# Allegro board parallella_layout.brd (continued)
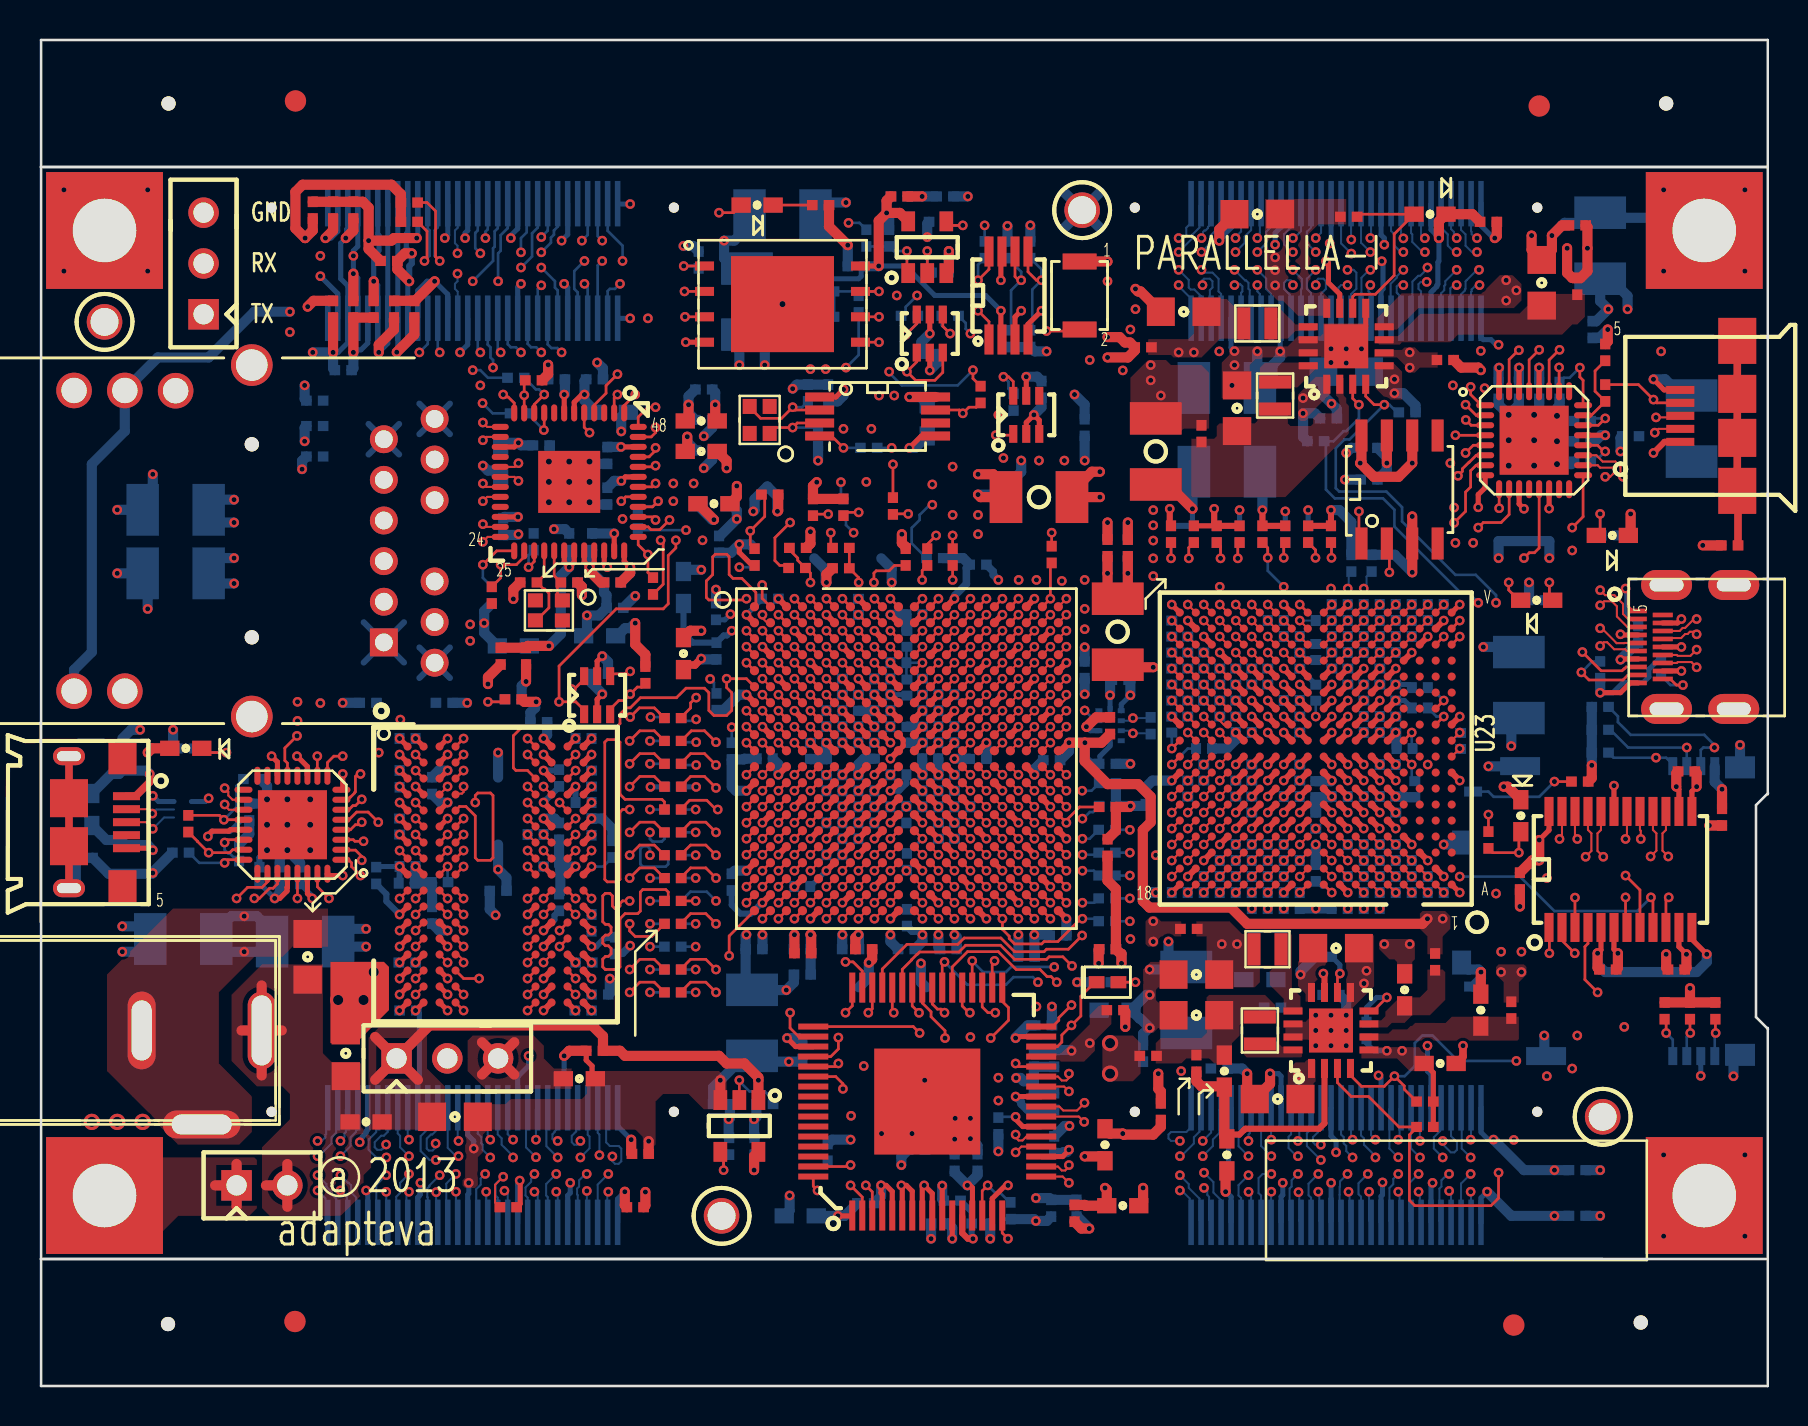
[diagram p0: board, top side]
## Routing (per net, layer and track width the routed paths; a pad name or vN(x,y) marks a point on that pad's centre or on a via; arc(x,y) is an arc through that point) (continued)
DDR_DQ15: length 19.5
  TOP w0.133: U2.J1 v1(35.33,32.97) ; U20.F9 v1(24.39,28.38)
  L8_SIG w0.108: v1(35.33,32.97) 35.33,32.74 34.94,32.34 34.94,28.41 34.66,28.13 33.64,28.13 33.33,27.81 33.33,27.18 33.09,26.94 31.77,26.94 31.66,26.83 31.66,26.59 31.55,26.48 31.33,26.48 31.23,26.59 31.23,26.83 31.12,26.94 28.81,26.94 28.25,26.38 26.25,26.38 25.45,27.18 25.02,27.18 24.97,27.23 24.95,27.23 24.78,27.39 24.78,27.98 v1(24.39,28.38)
DDR_DQ16: length 21.8
  TOP w0.133: U2.P1 v1(35.33,28.17) ; U20.M11 v1(25.99,22.78)
  L10_SIG w0.108: v1(25.99,22.78) 25.58,23.18 24.12,23.18 23.93,23.37 23.93,24.38 23.8,24.51 22.91,24.51 22.79,24.64 22.79,25.15 22.91,25.27 23.17,25.27 23.31,25.42 23.31,26.67 23.44,26.8 23.8,26.8 23.93,26.67 23.93,26.5 24.06,26.37 27.95,26.37 29.09,27.52 29.09,27.85 29.33,28.08 30.17,28.08 30.25,28.17 30.81,28.17 31.3,27.69 31.96,27.69 32.44,28.17 v1(35.33,28.17)
DDR_DQ17: length 22.1
  TOP w0.133: U2.P3 v1(36.93,28.17) ; U20.M9 v1(24.39,22.78)
  L10_SIG w0.108: v1(24.39,22.78) 24.14,22.78 22.41,24.51 22.41,26.54 23.04,27.17 27.86,27.17 29.12,28.43 34.08,28.43 34.22,28.57 37.14,28.57 37.26,28.44 37.26,28.3 37.14,28.17 v1(36.93,28.17)
DDR_DQ18: length 21.7
  TOP w0.133: U2.R3 v1(36.93,27.37) ; U20.N11 v1(25.99,21.98)
  L10_SIG w0.108: v1(25.99,21.98) 26.18,22.17 26.24,22.17 26.34,22.27 26.77,22.27 27.19,22.69 27.19,23.79 27,23.98 26.62,23.98 26.22,24.38 25.71,24.38 25.58,24.51 25.58,25.02 25.71,25.15 26.09,25.15 26.34,24.89 26.6,24.89 26.85,25.15 27.99,25.15 28.99,26.15 29.97,26.15 30.11,26.29 30.11,26.8 30.25,26.94 31.17,26.94 31.3,26.81 31.3,25.91 31.42,25.78 31.93,25.78 32.06,25.91 32.06,26.84 32.18,26.97 35.5,26.97 35.74,27.21 35.74,27.53 35.97,27.77 36.81,27.77 36.93,27.64 v1(36.93,27.37)
DDR_DQ19: length 21.7
  TOP w0.133: U2.R1 v1(35.33,27.37) ; U20.N9 v1(24.39,21.98)
  L10_SIG w0.108: v1(24.39,21.98) 24.79,22.38 26.15,22.38 26.47,22.7 26.47,23.16 26.34,23.29 26.34,23.85 26.22,23.98 24.92,23.98 24.79,24.11 24.79,24.77 24.66,24.89 23.93,24.89 23.8,25.02 23.8,25.4 23.93,25.53 25.58,25.53 25.71,25.65 25.71,25.91 25.83,26.04 26.22,26.04 26.34,25.91 26.34,25.65 26.47,25.53 27.87,25.53 28.12,25.78 28.12,26.04 29.31,27.23 34.34,27.23 34.48,27.37 v1(35.33,27.37)
DDR_DQ20: length 22
  TOP w0.133: U20.R11 v1(26.79,20.38) ; U2.T4 v1(37.73,26.57)
  L10_SIG w0.108: v1(26.79,20.38) 25.83,20.38 25.71,20.25 25.71,19.31 25.83,19.18 28.12,19.18 28.25,19.31 28.25,19.43 28.37,19.56 28.76,19.56 29.31,20.12 31.17,20.12 31.3,20.24 31.3,21.46 31.42,21.59 31.8,21.59 32.62,22.4 33.71,22.4 34.34,23.04 34.34,23.29 34.57,23.52 34.83,23.52 34.98,23.37 35.23,23.37 35.36,23.5 35.36,23.63 35.73,24 35.73,24.17 35.74,24.18 35.74,24.43 35.87,24.57 36.12,24.57 36.13,24.57 36.38,24.57 36.53,24.73 36.53,24.97 36.54,24.98 36.54,25.93 36.77,26.17 38.03,26.17 38.14,26.28 38.14,26.81 38.03,26.92 37.86,26.92 37.73,26.8 v1(37.73,26.57)
DDR_DQ21: length 22.2
  TOP w0.133: U20.T9 v1(24.39,19.58) ; U2.U4 v1(37.73,25.77)
  L10_SIG w0.108: v1(37.73,25.77) 38.14,25.37 38.14,24.8 37.9,24.57 37.57,24.57 37.33,24.33 37.33,24 37.09,23.77 36.77,23.77 36.53,23.53 36.53,23.2 36.29,22.97 35.97,22.97 35.73,22.73 35.73,22.4 35.5,22.17 34.38,22.17 33.46,21.26 32.69,21.26 32.66,21.23 32.63,21.23 32.06,20.65 32.06,20.07 29.69,17.7 24.44,17.7 23.8,18.34 23.8,18.99 v1(24.39,19.58)
DDR_DQ22: length 21.8
  TOP w0.133: U20.T11 v1(26.79,19.58) ; U2.U2 v1(36.13,25.77)
  L10_SIG w0.108: v1(26.79,19.58) 26.22,19.58 26.09,19.7 26.09,19.85 26.22,19.98 28.33,19.98 28.34,19.97 28.74,19.97 29.09,20.33 29.09,21.17 29.39,21.46 29.9,21.46 30.03,21.34 30.03,20.56 30.15,20.43 30.77,20.43 30.91,20.57 30.91,21.84 31.04,21.97 31.68,21.97 32.06,22.35 32.06,22.73 31.93,22.86 31.8,22.86 31.68,22.99 31.68,24.13 31.8,24.26 32.18,24.26 32.31,24.13 32.31,22.99 32.58,22.72 33.18,22.72 33.33,22.86 33.33,23.62 33.45,23.75 34.34,23.75 34.47,23.88 34.47,24.44 34.6,24.57 35.5,24.57 35.74,24.81 35.74,25.2 35.74,25.2 35.99,25.45 35.99,25.63 v1(36.13,25.77)
DDR_DQ23: length 21.8
  TOP w0.133: U2.U3 v1(36.93,25.77) ; U20.U9 v1(24.39,18.78)
  L10_SIG w0.108: v1(36.93,25.77) 37.33,25.37 37.33,24.8 37.09,24.57 36.77,24.57 36.54,24.33 36.54,24 36.3,23.77 35.97,23.77 35.74,23.53 35.74,23.2 35.5,22.97 34.78,22.97 33.39,21.57 32.37,21.57 31.68,20.88 31.68,20.12 30.51,18.95 30.38,18.95 30.05,19.28 29.87,19.28 29.67,19.08 29.67,18.9 29.94,18.63 29.94,18.38 29.72,18.16 29.5,18.16 29.39,18.27 29.39,18.67 29.26,18.8 29.01,18.8 28.88,18.67 28.88,18.29 28.68,18.08 25.83,18.08 25.63,18.29 24.95,18.29 24.74,18.08 24.51,18.08 24.18,18.41 24.18,18.57 v1(24.39,18.78)
DDR_DQ24: length 30.3
  TOP w0.133: U20.M2 v1(18.79,22.78) ; U2.V1 v1(35.33,24.97)
  L8_SIG w0.108: v1(35.33,24.97) 35.74,25.37 35.74,25.93 35.97,26.17 37.1,26.17 37.34,26.4 37.34,26.73 37.1,26.97 34.85,26.97 34.01,26.12 28.46,26.12 27.49,25.15 26.22,25.15 25.96,25.4 22.41,25.4 22.28,25.53 22.28,25.65 22.15,25.78 21.77,25.78 21.64,25.65 21.64,25.53 21.52,25.4 19.99,25.4 19.87,25.53 19.87,25.78 19.74,25.91 19.36,25.91 19.23,25.78 19.23,25.53 19.1,25.4 17.58,25.4 17.2,25.02 17.2,23.68 17.71,23.17 18.66,23.17 18.79,23.05 v1(18.79,22.78)
DDR_DQ25: length 30
  TOP w0.133: U20.M4 v1(21.19,22.78) ; U2.Y3 v1(36.93,23.37)
  L8_SIG w0.108: v1(36.93,23.37) 36.93,23.64 36.81,23.77 35.74,23.77 35.49,23.51 34.6,23.51 34.47,23.64 34.47,23.75 34.34,23.88 34.09,23.88 33.96,23.75 33.96,23.62 33.85,23.51 33.45,23.51 33.33,23.64 33.33,24.53 33.2,24.65 32.07,24.65 31.93,24.51 31.93,23.62 31.82,23.51 30.41,23.51 30.28,23.64 30.28,23.88 30.15,24 29.9,24 29.77,23.88 29.77,23.62 29.66,23.51 29.14,23.51 29.01,23.38 29.01,23.11 28.88,22.99 28.63,22.99 28.5,23.11 28.5,23.38 28.37,23.51 28.14,23.51 28.03,23.41 28.03,22.57 27.84,22.38 27.23,22.38 27.1,22.51 27.1,22.99 26.98,23.11 26.6,23.11 26.47,22.99 26.47,22.48 26.37,22.38 25.71,22.38 25.58,22.5 25.58,23.05 25.46,23.17 24.92,23.17 24.79,23.05 24.79,22.45 24.72,22.38 24.06,22.38 23.93,22.51 23.93,23.5 23.8,23.62 23.55,23.62 23.42,23.5 23.42,22.48 23.29,22.35 23.04,22.35 22.91,22.48 22.91,23 22.8,23.11 22.64,23.11 22.53,23 22.53,22.47 22.42,22.35 22.25,22.35 22.14,22.47 22.14,23.51 22.03,23.62 21.81,23.62 21.7,23.51 21.7,22.89 21.6,22.78 v1(21.19,22.78)
DDR_DQ26: length 30.1
  TOP w0.133: U2.W1 v1(35.33,24.17) ; U20.N2 v1(18.79,21.98)
  L8_SIG w0.108: v1(35.33,24.17) 35.33,24.11 35.1,23.88 34.89,23.88 34.47,24.3 34.47,24.88 34.34,25 31.68,25 31.55,24.88 31.55,24 31.42,23.88 31.17,23.88 31.06,23.98 31.06,24.85 30.91,25 29.14,25 29.01,24.88 29.01,24.11 28.88,23.98 26.34,23.98 26.22,24.11 26.22,24.38 26.09,24.51 25.83,24.51 25.71,24.38 25.71,24.11 25.58,23.98 23.99,23.98 23.88,24.09 23.88,24.51 23.75,24.64 23.36,24.64 23.23,24.51 23.23,24.09 23.12,23.98 22.69,23.98 22.59,24.09 22.59,24.51 22.46,24.64 22.06,24.64 21.94,24.51 21.94,24.09 21.83,23.98 20.14,23.98 19.99,24.13 19.99,24.51 19.86,24.64 19.48,24.64 19.36,24.51 19.36,24.26 19.61,24 19.61,20.83 19.49,20.7 19.31,20.7 19.18,20.83 19.18,21.85 19.06,21.98 v1(18.79,21.98)
DDR_DQ27: length 30.3
  TOP w0.133: v1(21.19,21.98) 21.19,21.98 U20.N4 ; U2.Y4 v1(37.73,23.37)
  L8_SIG w0.108: v1(37.73,23.37) 37.46,23.37 37.34,23.24 37.34,22.21 37.21,22.09 35.61,22.09 35.49,21.96 35.49,21.34 35.36,21.21 35.11,21.21 34.98,21.34 34.98,21.97 34.86,22.09 33.72,22.09 33.14,22.66 33,22.66 32.9,22.56 32.9,22.42 33.19,22.14 33.19,21.81 32.96,21.57 32.41,21.57 32.3,21.68 32.3,22.73 32.18,22.86 32,22.86 31.87,22.73 31.87,21.68 31.76,21.57 31.55,21.57 31.44,21.68 31.44,22.12 31.34,22.23 31.12,22.23 31.01,22.12 31.01,21.68 30.9,21.57 29.15,21.57 29.01,21.72 29.01,21.84 28.88,21.97 28.63,21.97 28.37,21.72 28.37,21.39 27.77,20.78 26.23,20.78 26.12,20.89 26.12,21.1 26.01,21.21 25.8,21.21 25.69,21.1 25.69,20.89 25.58,20.78 23.49,20.78 23.38,20.89 23.38,21.48 23.28,21.59 23.06,21.59 22.95,21.48 22.95,20.89 22.84,20.78 22.63,20.78 22.52,20.89 22.52,21.48 22.41,21.59 22.2,21.59 22.09,21.48 22.09,20.89 21.98,20.78 21.77,20.78 21.64,20.91 21.64,21.52 v1(21.19,21.98)
DDR_DQ28: length 30.2
  TOP w0.133: U2.Y2 v1(36.13,23.37) ; U20.R2 v1(18.79,20.38)
  L8_SIG w0.108: v1(18.79,20.38) 19.06,20.38 19.18,20.25 19.18,19.38 18.98,19.18 17.58,19.18 17.45,19.05 17.45,18.54 17.71,18.29 19.48,18.29 19.99,18.8 19.99,22.23 20.14,22.37 21.52,22.37 21.84,22.05 23.72,22.05 24.18,21.58 26.34,21.58 26.47,21.71 26.47,21.97 26.6,22.1 26.98,22.1 27.1,21.97 27.1,21.71 27.23,21.58 27.75,21.58 28.7,22.53 31.03,22.53 31.14,22.64 31.14,23.01 31.25,23.11 32.06,23.11 32.45,23.51 33.06,23.51 33.33,23.24 33.33,22.99 33.71,22.61 34.04,22.61 34.4,22.97 35.73,22.97 v1(36.13,23.37)
DDR_DQ29: length 30.4
  TOP w0.133: U2.W3 v1(36.93,24.17) ; U20.T4 v1(21.19,19.58)
  L8_SIG w0.108: v1(36.93,24.17) 37.33,24.57 38.7,24.57 38.94,24.33 38.94,24 39.17,23.77 39.49,23.77 39.73,23.53 39.73,23.16 39.43,22.86 39.43,21.72 38.46,20.75 37.06,20.75 35.36,19.05 35.36,18.67 34.98,18.29 31.8,18.29 31.55,18.54 31.55,19.56 31.42,19.69 31.04,19.69 30.91,19.56 30.91,17.91 30.53,17.53 26.98,17.53 26.86,17.64 23.94,17.64 22.91,18.67 22.09,18.67 v1(21.19,19.58)
DDR_DQ30: length 30.1
  TOP w0.133: U20.T2 v1(18.79,19.58) ; U2.V2 v1(36.13,24.97)
  L8_SIG w0.108: v1(36.13,24.97) 35.73,24.57 35.05,24.57 34.9,24.72 34.9,24.72 34.85,24.77 34.85,25.91 34.72,26.04 34.34,26.04 34.11,25.8 32.63,25.8 32.49,25.65 30.82,25.65 30.67,25.8 28.63,25.8 28.5,25.67 28.5,24.9 28.37,24.77 25.83,24.77 25.59,25.02 25.2,25.02 25.07,24.89 24.18,24.89 24.06,25.02 21.64,25.02 21.52,24.89 20.5,24.89 20.37,25.02 19.1,25.02 18.98,24.89 18.21,24.89 18.09,25.02 17.71,25.02 17.58,24.89 17.58,24.11 17.71,23.98 18.94,23.98 19.18,23.74 19.18,22.61 18.94,22.37 18.62,22.37 18.39,22.14 18.39,19.99 18.38,19.98 v1(18.79,19.58)
DDR_DQ31: length 30.3
  TOP w0.133: U2.V3 v1(36.93,24.97) ; U20.U4 v1(21.19,18.78)
  L8_SIG w0.108: v1(36.93,24.97) 37.34,25.37 38.79,25.37 38.93,25.23 38.93,24.81 39.17,24.57 39.49,24.57 39.73,24.33 39.73,24.01 39.97,23.77 40.29,23.77 40.53,23.53 40.53,22.32 37.52,19.3 36.63,19.3 35.11,17.78 32.18,17.78 30.91,16.51 30.28,16.51 29.9,16.89 28.37,16.89 27.99,16.51 27.23,16.51 26.6,17.14 23.93,17.14 22.79,18.29 21.67,18.29 v1(21.19,18.78)
DDR_DQS_N0: length 31.4
  TOP w0.102: U20.D4 20.83,29.62 21.1,29.62 21.19,29.7 v1(21.19,29.98) ; v1(36.13,38.57) 36.13,38.4 36.37,38.17 U2.B2
  L3_SIG w0.095: v1(21.19,29.98) 21.31,29.98 21.9,29.98 22.2,30.28 22.2,33.03 23.1,33.93 23.1,35.29 24.13,36.32 24.69,36.32 25.01,36.64 25.01,37.2 25.28,37.47 25.69,37.47 25.96,37.74 25.96,38.15 26.29,38.48 26.5,38.48 26.6,38.39 26.6,38.08 26.9,37.77 27.75,37.77 28.05,38.08 28.05,39.26 28.17,39.37 28.33,39.37 28.44,39.26 28.44,38.16 28.74,37.86 29.08,37.86 29.38,38.15 29.38,38.31 29.39,38.32 29.39,38.67 29.52,38.8 30.09,38.8 30.22,38.67 30.22,38.29 30.52,37.99 31.65,37.99 31.96,38.29 31.96,38.9 31.48,39.37 31.48,39.51 31.55,39.57 32.06,39.57 32.57,39.07 33.14,39.07 33.26,38.94 33.26,38.54 33.39,38.42 33.52,38.42 33.64,38.54 33.64,38.93 33.77,39.05 33.96,39.05 34.09,38.93 34.09,38.35 34.28,38.16 35.61,38.16 35.72,38.27 35.72,38.48 35.85,38.61 36.1,38.61 v1(36.13,38.57)
DDR_DQS_N1: length 19.7
  TOP w0.102: v1(24.39,29.98) U20.D9 ; U2.F2 v1(36.13,35.37)
  L8_SIG w0.095: v1(36.13,35.37) 34.91,35.37 34.32,34.77 33.45,34.77 33.11,35.11 33,35.23 32.49,35.23 32.07,34.81 32.07,29.97 31.94,29.84 31.47,29.84 31.35,29.97 31.35,30.35 30.99,30.71 29.07,30.71 28.5,30.14 28.12,30.14 27.87,30.39 26.5,30.39 26.22,30.1 25.71,30.1 25.42,30.39 24.79,30.39 v1(24.39,29.98)
DDR_DQS_N2: length 21.8
  TOP w0.102: U2.T2 v1(36.13,26.57) ; U20.P9 v1(24.39,21.18)
  L10_SIG w0.095: v1(24.39,21.18) 24.79,20.77 27.8,20.77 28.04,21.01 28.5,21.01 28.93,21.44 28.93,22.1 29.25,22.41 30.91,22.41 31.22,22.72 31.22,23.56 30.91,23.87 29.01,23.87 28.88,23.99 28.88,24.58 29.01,24.7 34.28,24.7 34.6,25.02 34.6,25.15 34.81,25.36 35.52,25.36 35.74,25.58 35.74,25.96 36.04,26.26 36.04,26.48 v1(36.13,26.57)
DDR_DQS_N3: length 30
  TOP w0.102: U2.W4 v1(37.73,24.17) ; v1(21.19,21.18) 21.19,21.29 20.89,21.58 U20.P4
  L8_SIG w0.095: v1(21.19,21.18) 21.11,21.18 20.96,21.02 20.96,20.79 22.42,19.32 23.19,19.32 24.18,18.33 30.03,18.33 30.15,18.45 30.15,18.8 30.03,18.92 29.01,18.92 28.76,19.18 28.76,20.04 29.15,20.43 31.93,20.43 32.23,20.13 32.23,19.43 32.44,19.23 34.34,19.23 35.05,19.94 35.05,20.19 36.44,21.58 38.39,21.58 38.62,21.8 38.62,21.97 38.49,22.1 38.28,22.1 38.14,22.23 38.14,24.13 38.02,24.26 37.82,24.26 v1(37.73,24.17)
DDR_DQS_P0: length 32
  TOP w0.102: U20.D3 19.99,29.58 v1(20.39,29.98) ; U2.C2 v1(36.13,37.77)
  L3_SIG w0.095: v1(20.39,29.98) 20.78,30.37 21.35,30.37 21.43,30.28 21.77,30.28 21.9,30.41 21.9,33.15 22.8,34.05 22.8,35.42 24.01,36.63 24.56,36.63 24.7,36.77 24.7,37.32 25.15,37.77 25.56,37.77 25.66,37.87 25.66,38.28 26.16,38.79 26.63,38.79 26.9,38.51 26.9,38.2 27.03,38.07 27.62,38.07 27.75,38.2 27.75,39.38 28.04,39.67 28.45,39.67 28.74,39.38 28.74,38.29 28.87,38.16 28.96,38.16 29.08,38.28 29.08,38.44 29.09,38.45 29.09,38.8 29.39,39.1 30.22,39.1 30.52,38.8 30.52,38.42 30.65,38.29 31.52,38.29 31.65,38.42 31.65,38.77 31.18,39.24 31.18,39.63 31.42,39.88 32.18,39.88 32.69,39.37 34.15,39.37 34.54,38.99 34.7,38.99 34.7,38.98 36.28,38.98 36.52,38.73 36.52,38.16 v1(36.13,37.77)
DDR_DQS_P1: length 20
  TOP w0.102: v1(25.19,29.98) U20.D10 ; U2.G2 v1(36.13,34.57)
  L8_SIG w0.095: v1(36.13,34.57) 36.13,34.66 35.73,35.06 35.04,35.06 34.44,34.47 33.33,34.47 32.99,34.81 32.87,34.92 32.61,34.92 32.37,34.69 32.37,29.85 32.07,29.54 31.35,29.54 31.04,29.85 31.04,30.23 30.86,30.4 29.2,30.4 28.63,29.83 28.12,29.83 27.87,29.58 26.6,29.58 26.37,29.8 26.37,29.79 25.8,29.79 25.57,29.57 24.94,29.57 24.82,29.69 24.82,29.86 24.94,29.98 v1(25.19,29.98)
DDR_DQS_P2: length 21.9
  TOP w0.102: v1(25.19,21.18) U20.P10 ; U2.R2 v1(36.13,27.37)
  L10_SIG w0.095: v1(25.19,21.18) 26.23,21.18 26.64,21.59 27.79,21.59 28.07,21.31 28.37,21.31 28.63,21.56 28.63,22.23 29.12,22.72 30.79,22.72 30.91,22.84 30.91,23.43 30.79,23.56 28.88,23.56 28.58,23.87 28.58,24.7 28.88,25.01 34.16,25.01 34.29,25.15 34.29,25.27 35.01,25.99 35.01,26 35.17,26.16 35.18,26.16 35.2,26.18 35.5,26.18 35.74,26.42 35.74,26.72 35.74,26.72 35.74,26.73 35.98,26.96 36.39,26.96 36.5,27.08 36.5,27.24 36.39,27.36 36.15,27.36 v1(36.13,27.37)
DDR_DQS_P3: length 30.3
  TOP w0.102: v1(20.39,21.18) 20.39,21.18 U20.P3 ; U2.W5 v1(38.53,24.17)
  L8_SIG w0.095: v1(38.53,24.17) 38.66,24.04 38.66,23.87 38.92,23.61 38.92,21.68 38.52,21.27 36.57,21.27 35.36,20.07 35.36,19.81 34.47,18.92 32.31,18.92 31.93,19.3 31.93,20 31.8,20.13 29.28,20.13 29.06,19.91 29.06,19.3 29.14,19.23 30.15,19.23 30.46,18.92 30.46,18.33 30.15,18.02 24.06,18.02 23.06,19.02 22.3,19.02 20.65,20.66 20.65,20.76 20.59,20.83 20.59,20.98 v1(20.39,21.18)
DDR_ODT: length 19.6
  TOP w0.133: U20.H3 19.99,26.38 v1(20.39,26.78)
  L3_SIG w0.108: v1(30.51,20.83) 30.51,20.9 29.83,21.58 20.18,21.58 19.78,21.98 19.78,24.92 20.14,25.28 21.22,25.28 21.71,25.77 21.71,26.02 21.35,26.37 20.79,26.37 v1(20.39,26.78)
  BOTTOM w0.133: R320.2 v1(30.51,20.83)
DDR_RAS_L: length 18.3
  TOP w0.133: U20.G4 21.19,27.58 v1(21.19,27.58) ; R324.2 30.72,20.19 30,20.19 v1(29.49,19.69)
  L10_SIG w0.108: v1(29.49,19.69) 28.15,18.34 26.22,18.34 25.37,19.18 25.02,19.18 24.79,19.41 24.79,19.77 24.57,19.98 24.21,19.98 22.03,22.15 22.03,26.73 v1(21.19,27.58)
DDR_RST_L: length 44.2
  TOP w0.133: U2.B4 v1(37.73,38.57) ; U20.H1 v1(17.99,26.78)
  L8_SIG w0.108: v1(34.98,40.94) 35.93,40.94 36.52,40.36 36.52,39.89 36.54,39.88 36.54,39.21 36.78,38.97 37.34,38.97 v1(37.73,38.57) ; v1(12.88,34.21) 14.47,32.63 14.47,28.13 15.82,26.78 v1(17.99,26.78)
  L10_SIG w0.108: v1(37.73,38.57) 37.34,38.97 34.91,38.97 34.84,39.04 34.26,39.04 33.88,38.66 31.55,38.66 30.53,37.64 25.07,37.64 23.93,36.5 22.02,36.5 20.37,34.85 13.52,34.85 v1(12.88,34.21)
  BOTTOM w0.133: v1(34.98,40.94) 35.65,40.94 R111.1
DDR_VREF: length 26.9
  TOP w0.133: U2.P6 v1(39.33,28.17) ; R66.2 23.13,34.21 v1(22.41,34.21) ; U2.H6 v1(39.33,33.77)
  L5_SIG w0.108: v1(39.33,33.77) 39.74,33.37 39.74,28.57 v1(39.33,28.17)
  L10_SIG w0.108: v1(39.33,33.77) 38.94,34.17 34.74,34.17 34.47,33.9 31.54,33.9 30.7,33.05 29.35,33.05 29.27,33.13 23.48,33.13 v1(22.41,34.21)
  BOTTOM w0.133: v1(22.41,34.21) 23.13,34.21 R66.2
DDR_WE_L: length 18.8
  TOP w0.133: v1(21.19,25.98) 20.79,25.58 U20.J4 ; R322.2 30.72,21.34 30,21.34 v1(29.49,20.83)
  L3_SIG w0.108: v1(29.49,20.83) 27.8,20.83 27.75,20.78 19.96,20.78 19.48,21.26 19.48,25.07 19.99,25.58 U20.J4 v1(21.19,25.98)
DSP_FLAG: length 78.5
  TOP w0.133: R1.1 v1(72.44,28.58)
  TOP w0.305: U23.E12 v1(61.41,27.88)
  L3_SIG w0.108: v1(61.41,27.88) 61,27.47 58.04,27.47 57.81,27.24 57.81,26.92 57.57,26.68 56.19,26.68 56.05,26.54 v1(55.81,26.54) ; v1(72.44,28.58) 71.94,28.58 71.68,28.32 68.01,28.32 67.97,28.28 64.15,28.28 63.81,27.94 v1(63.81,27.88)
  L8_SIG w0.108: v1(48.19,46.41) 48.53,46.06 48.53,35.21 48.3,34.97 47.93,34.97 47.73,34.77 47.73,34.29 47.61,34.17 47.06,34.17 46.93,34.04 46.93,32.01 46.7,31.77 46.37,31.77 46.14,31.54 46.14,30.4 46.38,30.17 49.9,30.17 50.14,29.93 50.14,29.6 50.38,29.37 51.76,29.37 52.25,28.88 53.9,28.88 54.22,28.56 54.73,28.56 55.17,28.12 55.17,27.18 v1(55.81,26.54) ; v1(61.41,27.88) 61.8,28.27 63.41,28.27 v1(63.81,27.88)
  L10_SIG w0.108: v1(24.06,51.69) 24.52,52.16 28.16,52.16 28.5,51.82 30.53,51.82 31.04,51.31 33.2,51.31 33.58,51.69 36.76,51.69 39.17,49.28 40.69,49.28 41.2,48.77 41.71,48.77 42.34,48.13 44,48.13 44.88,47.24 46.15,47.24 46.79,46.61 47.3,46.61 47.5,46.41 v1(48.19,46.41)
  BOTTOM w0.133: J13.23 23.39,52.1 23.55,51.94 23.8,51.94 v1(24.06,51.69)
DSP_MVDD: length 0.6
  TOP w0.305: U23.F8 v1(65.41,28.68)
DSP_MVSS: length 0.6
  TOP w0.305: U23.F7 v1(66.21,28.68)
DSP_RESET_L: length 30.5
  TOP w0.133: U2.G14 v1(46.54,34.57)
  TOP w0.305: U23.F11 v1(62.21,28.68)
  L3_SIG w0.108: v1(62.21,28.68) 61.8,28.27 61.8,26.91 61.57,26.68 58.85,26.68 58.61,26.44 58.61,26.12 58.37,25.88 57.25,25.88 57,25.63 57,25.31 56.77,25.08 56.21,25.08 v1(55.81,24.68)
  L8_SIG w0.108: v1(46.54,34.57) 46.34,34.38 46.34,34.32 46.13,34.11 46.13,33.61 45.9,33.37 45.57,33.37 45.34,33.14 45.34,30.33 45.5,30.17 45.9,30.17 46.13,29.93 46.13,29.54 46.3,29.37 49.1,29.37 49.34,29.13 49.34,28.8 49.58,28.57 49.9,28.57 50.14,28.33 50.14,28 50.38,27.77 52.28,27.77 52.76,28.24 54.64,28.24 54.91,27.98 54.91,25.57 v1(55.81,24.68)
DSP_XID0: length 66.1
  TOP w0.133: R156.1 v1(56.57,41.39)
  TOP w0.305: U23.F12 v1(61.41,28.68)
  L5_SIG w0.108: v1(56.57,41.39) 56.57,40.59 57,40.15 57,38.12 57.24,37.88 57.56,37.88 57.8,37.64 57.8,33.32 58.04,33.08 58.36,33.08 58.6,32.84 58.6,30.12 58.84,29.88 59.16,29.88 59.4,29.64 59.4,29.32 59.64,29.08 60.95,29.08 61.16,28.87 61.21,28.87 v1(61.41,28.68) ; v1(54.54,52.83) 53.9,52.83 53.65,53.09 51.11,53.09 50.85,53.34 48.82,53.34 48.57,53.59 48.57,54.03 48.34,54.25 46,54.25 45.77,54.03 41.2,54.03 40.57,54.66 36.12,54.66 35.44,53.98 26.09,53.98 25.47,54.59 25.47,55.53 v1(25.07,55.93)
  L8_SIG w0.108: v1(54.54,52.83) 55.04,52.32 55.04,48.32 57.01,46.35 57.01,41.83 v1(56.57,41.39)
  BOTTOM w0.133: v1(25.07,55.93) 25.75,55.25 25.75,54.93 25.89,54.79 J13.13 ; R156.1 v1(56.57,41.39)
DSP_XID1: length 67.7
  TOP w0.133: v1(63.79,41.41) 63.79,41.81 R157.1
  TOP w0.305: U23.E8 v1(65.41,27.88)
  L3_SIG w0.108: v1(64.57,39.88) 64.57,40.64 v1(63.79,41.41)
  L5_SIG w0.108: v1(65.41,27.88) 65,28.28 65,28.84 64.77,29.07 64.45,29.07 64.21,29.31 64.21,29.49 64.19,29.51 64.19,33.3 64.2,33.31 64.2,37.45 63.81,37.85 63.81,41.4 v1(63.79,41.41) ; v1(55.68,43.8) 56.17,43.31 63.68,43.31 65.08,41.91 65.08,41.02 64.57,40.51 v1(64.57,39.88)
  L10_SIG w0.108: v1(26.09,51.69) 28.12,51.69 28.37,51.43 30.37,51.43 30.88,50.93 34.47,50.93 35.94,49.45 38.28,49.45 38.81,48.92 40.54,48.92 41.05,48.41 41.6,48.41 42.26,47.75 43.87,47.75 44.77,46.85 46.07,46.85 46.07,46.82 46.66,46.23 47.04,46.23 49.08,44.2 51.11,44.2 51.87,43.43 51.87,42.93 52.38,42.42 54.54,42.42 55.3,43.18 55.3,43.42 v1(55.68,43.8)
  BOTTOM w0.133: v1(26.09,51.69) 25.87,51.9 25.58,51.9 25.39,52.09 J13.15 ; R157.1 63.79,41.81 v1(63.79,41.41)
DSP_XID2: length 69
  TOP w0.133: R158.1 59.91,42.09 v1(59.91,41.39)
  TOP w0.305: U23.F10 v1(63.01,28.68)
  L5_SIG w0.108: v1(63.01,28.68) 63.01,28.91 62.6,29.32 62.6,29.64 62.36,29.88 62.04,29.88 61.8,30.12 61.8,30.44 61.56,30.68 61.24,30.68 61,30.92 61,32.84 60.76,33.08 60.44,33.08 60.21,33.31 60.21,41.09 v1(59.91,41.39) 59.91,40.87 v1(59.01,39.97) ; v1(58.98,51.74) 58.3,51.05 56.82,51.05 55.93,51.94 51.28,51.94 50.98,52.25 47.3,52.25 46.98,51.93 43.23,51.93 42.47,52.69 41.58,52.69 41.47,52.58 32.69,52.58 32.57,52.7 31.68,52.7 31.42,52.96 29.19,52.96 28.55,53.59 26.01,53.59 25.07,54.53 v1(25.07,55.04)
  L8_SIG w0.108: v1(58.98,51.74) 59.17,51.55 59.17,42.21 58.65,41.69 58.65,40.26 58.94,39.97 v1(59.01,39.97)
  BOTTOM w0.133: v1(25.07,55.04) 24.89,54.86 J13.17 ; v1(59.91,41.39) 59.91,42.09 R158.1
DSP_XID3: length 64.8
  TOP w0.133: v1(64.59,41.41) 64.59,42.15 R159.1
  TOP w0.305: U23.E7 v1(66.21,27.88)
  L5_SIG w0.108: v1(55.68,43.04) 55.81,42.91 63.1,42.91 v1(64.59,41.41) 64.19,41.01 64.19,40.06 64.17,40.04 64.17,39.71 64.19,39.7 64.19,38.12 64.44,37.87 64.77,37.87 65,37.64 65,29.31 65.24,29.07 65.57,29.07 65.8,28.84 65.8,28.28 v1(66.21,27.88)
  L10_SIG w0.108: v1(55.68,43.04) 55.31,42.67 55.3,42.67 54.66,42.04 52.25,42.04 51.49,42.8 51.49,43.31 50.99,43.8 48.58,43.8 47.3,45.09 46.66,45.09 46.28,45.47 46.28,46.1 45.9,46.48 44.63,46.48 43.72,47.4 41.38,47.4 40.34,48.44 36.38,48.44 34.27,50.55 30.69,50.55 30.18,51.05 28.5,51.05 28.12,50.67 27.36,50.67 26.85,51.18 25.96,51.18 25.45,51.69 v1(25.07,51.69)
  BOTTOM w0.133: R159.1 64.59,42.15 v1(64.59,41.41) ; J13.19 24.39,52.11 24.56,51.94 24.82,51.94 v1(25.07,51.69)
DSP_YID0: length 73.2
  TOP w0.133: R161.1 59.04,41.99 v1(59.04,41.39)
  TOP w0.305: U23.E10 v1(63.01,27.88)
  L3_SIG w0.108: v1(54.79,53.85) 55.17,53.47 55.17,51.56 54.92,51.31 54.92,49.89 55.55,49.25 55.55,46.61 55.17,46.23 55.17,41.02 55.68,40.51 v1(55.68,40.5)
  L5_SIG w0.108: v1(55.68,40.5) 56.12,40.94 56.12,41.58 56.44,41.9 58.54,41.9 v1(59.04,41.39) 58.47,40.82 58.47,39.37 58.61,39.24 58.61,38.91 58.85,38.67 59.25,38.67 59.4,38.52 59.4,33.32 59.64,33.08 59.96,33.08 60.2,32.84 60.2,30.92 60.44,30.68 60.76,30.68 61,30.44 61,30.12 61.24,29.88 61.56,29.88 61.8,29.64 61.8,29.32 62.04,29.08 62.36,29.08 62.6,28.84 62.6,28.28 v1(63.01,27.88) ; v1(54.79,53.85) 54.41,53.47 51.11,53.47 50.35,54.23 48.82,54.23 48.48,54.57 44.6,54.57 44,55.17 35.99,55.17 35.18,54.36 32.69,54.36 32.57,54.23 31.93,54.23 31.8,54.36 26.22,54.36 25.77,54.81 25.77,56 v1(25.07,56.69)
  BOTTOM w0.133: v1(25.07,56.69) 25.55,57.18 25.55,57.43 25.71,57.58 25.71,57.78 25.89,57.97 J13.14 ; v1(59.04,41.39) 59.04,41.99 R161.1
DSP_YID1: length 70.9
  TOP w0.133: v1(57.46,41.39) 57.46,41.92 R162.1
  TOP w0.305: U23.E11 v1(62.21,27.88)
  L5_SIG w0.108: v1(53.39,55.24) 53.37,55.27 50.95,55.27 50.22,56.01 46.41,56.01 46.28,55.88 44.88,55.88 44.4,56.36 44.15,56.36 43.87,56.64 43.87,57.02 43.61,57.28 41.72,57.28 40.96,56.52 29.77,56.52 29.52,56.77 28.88,56.77 28.63,56.52 28.63,55.5 27.74,54.61 26.98,54.61 26.72,54.86 26.72,55.24 26.09,55.88 26.09,56.44 v1(25.07,57.45) ; v1(57.46,41.39) 57.8,41.04 57.8,38.12 58.04,37.88 58.36,37.88 58.6,37.64 58.6,33.32 58.84,33.08 59.16,33.08 59.4,32.84 59.4,30.12 59.64,29.88 60.76,29.88 61,29.64 61,29.32 61.24,29.08 61.56,29.08 61.8,28.84 61.8,28.28 v1(62.21,27.88)
  L8_SIG w0.108: v1(53.39,55.24) 54.03,54.61 54.03,52.52 54.66,51.89 54.66,48.05 56.11,46.61 56.11,43.7 56.12,43.69 56.12,41.08 56.31,40.89 56.96,40.89 v1(57.46,41.39)
  BOTTOM w0.133: v1(25.07,57.45) 25.39,57.78 J13.16 ; R162.1 57.46,41.92 v1(57.46,41.39)
DSP_YID2: length 76.5
  TOP w0.133: v1(61.41,41.41) 61.41,41.91 R163.1
  TOP w0.305: U23.E9 v1(64.61,27.88)
  L5_SIG w0.108: v1(61.41,41.41) 61.01,41.02 61.01,33.31 61.24,33.08 61.56,33.08 61.8,32.84 61.8,30.92 62.04,30.68 62.36,30.68 62.6,30.44 62.6,30.12 62.84,29.88 63.16,29.88 63.4,29.64 63.4,28.98 64.06,28.32 64.16,28.32 v1(64.61,27.88) ; v1(54.16,50.79) 53.91,50.54 53.9,50.55 52.12,50.55 51.8,50.87 47.62,50.87 47.04,50.29 41.96,50.29 40.57,51.69 33.33,51.69 33.07,51.43 31.8,51.43 30.91,52.32 28.5,52.32 27.99,52.83 25.38,52.83 23.66,54.55 23.66,55.53 v1(24.06,55.93) ; v1(55.68,42.28) 56.01,42.61 61.76,42.61 62.66,41.71 62.66,40.42 v1(62.21,39.97)
  L8_SIG w0.108: v1(54.16,50.79) 54.16,47.75 54.95,46.96 54.95,43.01 v1(55.68,42.28)
  BOTTOM w0.133: v1(62.21,39.97) 61.41,40.77 v1(61.41,41.41) 61.41,41.91 R163.1 ; J13.18 24.89,57.93 24.61,57.65 24.61,56.49 v1(24.06,55.93)
DSP_YID3: length 70.3
  TOP w0.133: v1(62.21,41.41) 62.21,42.1 R164.1
  TOP w0.305: U23.F9 v1(64.61,28.68)
  L5_SIG w0.108: v1(64.61,28.68) 64.14,28.68 63.81,29.01 63.81,30.04 63.16,30.68 62.84,30.68 62.6,30.92 62.6,32.84 62.36,33.08 62.04,33.08 61.8,33.32 61.8,40.21 62.21,40.61 v1(62.21,41.41) 61.41,42.21 56.31,42.21 55.68,41.58 v1(55.68,41.39) ; v1(52.5,51.31) 52.49,51.3 43.36,51.3 43.09,51.56 41.58,51.56 40.95,52.2 33.22,52.2 32.82,51.8 31.95,51.8 31.15,52.59 28.85,52.59 28.23,53.21 25.82,53.21 24.56,54.47 24.56,56.18 v1(24.06,56.69)